# Allegro board reServer industrial J401 Carrier Board v11.brd (continued)
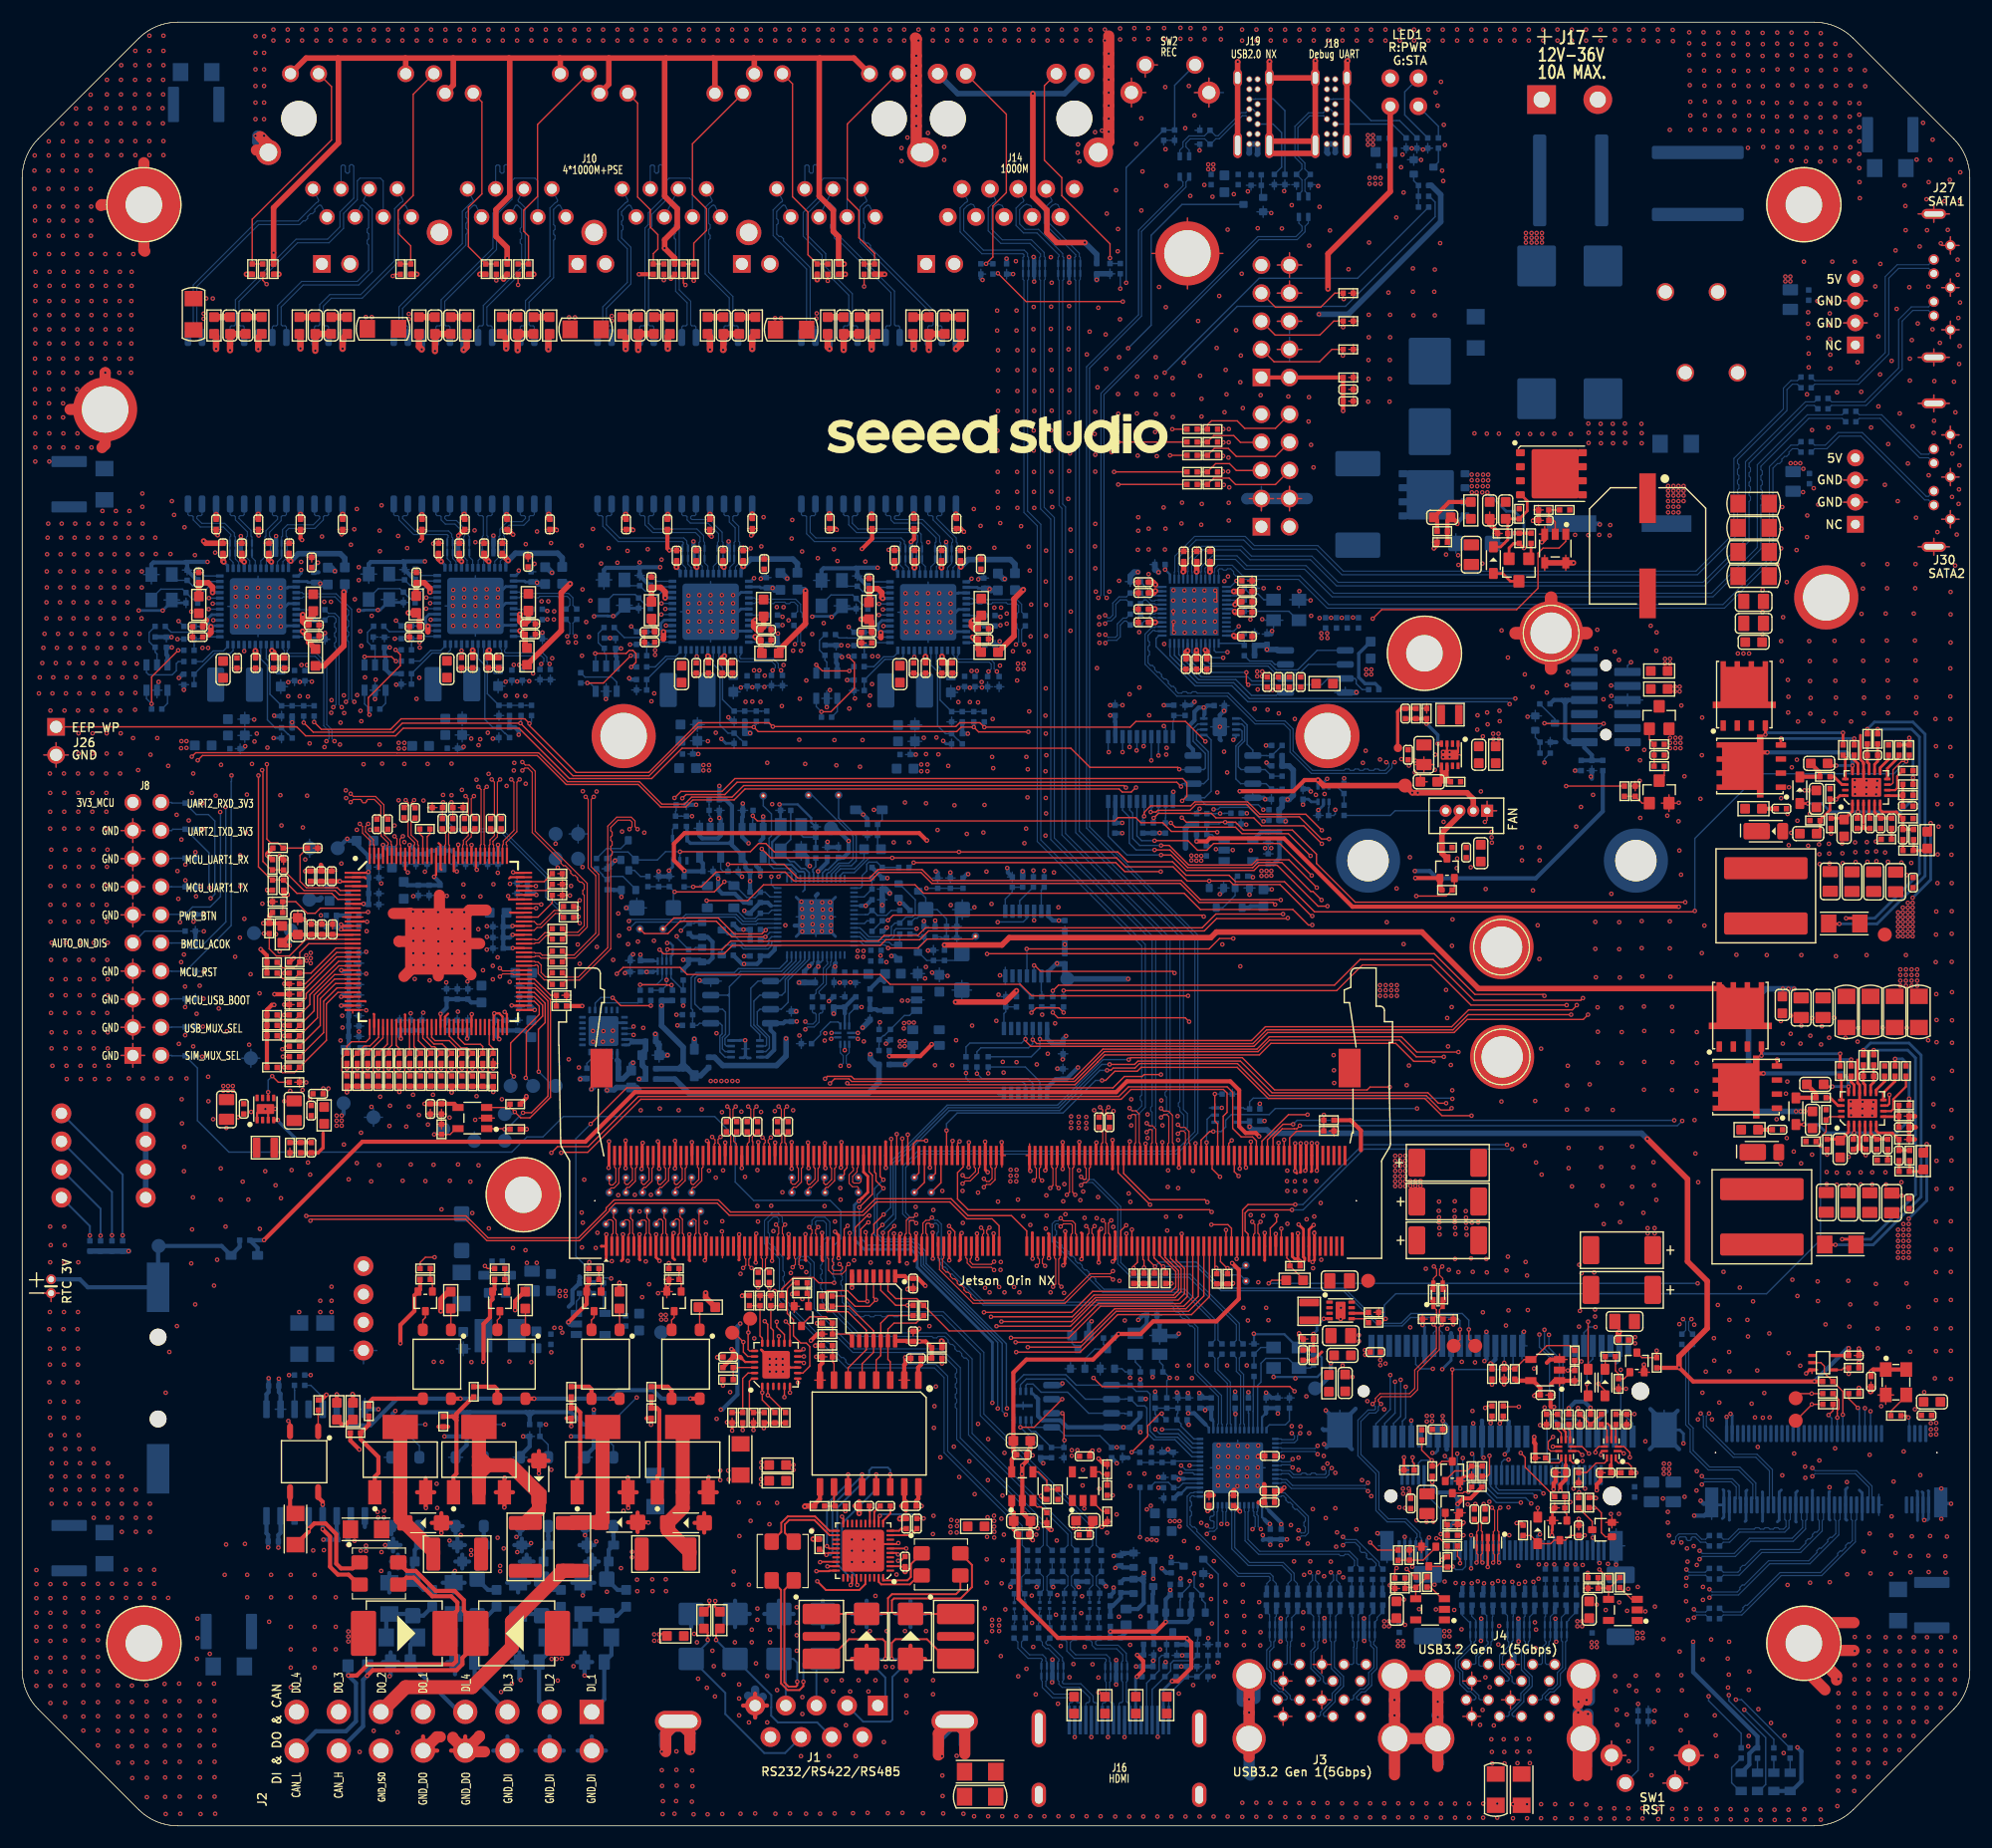
[diagram p0: board, top side]
## Routing (per net, layer and track width the routed paths; a pad name or vN(x,y) marks a point on that pad's centre or on a via; arc(x,y) is an arc through that point) (continued)
  BOTTOM w0.127: C384.2 42.98,81.25 ; C384.2 42.55,81.68 ; C384.2 42.12,81.25 ; C384.2 42.55,80.83 ; U37.2 12.19,103.31 ; U37.2 12.19,101.94 ; U37.2 12.64,102.63 ; U37.2 11.73,102.63 ; C76.2 76.8,89.51 ; C76.2 76.38,89.94 ; C76.2 76.38,89.08 ; C76.2 75.95,89.51 ; 103.59,33.76 C41.2 ; C41.2 104.02,33.33 ; C41.2 104.45,33.76 ; C106.2 81.55,77.01 ; C106.2 80.31,77.01 ; C106.2 80.93,77.64 ; C106.2 80.93,76.39 ; 124.63,151.61 R275.2 ; R275.2 125.06,152.04 ; R275.2 125.49,151.61 ; R275.2 125.06,151.18 ; C352.2 32.23,87.07 ; C352.2 31.81,86.64 ; C352.2 32.66,86.64 ; C352.2 32.23,86.22 ; 77.72,85.09 R125.2 77.29,84.66 ; 84,99.33 C501.2 ; C501.2 84.43,99.76 ; C501.2 84,100.19 ; C501.2 83.57,99.76 ; 90.45,38.3 U12.9 90.45,37.65 ; J27.G1 175.02,142.82 ; J27.G1 174.24,142.04 ; J27.G1 174.24,143.6 ; J27.G1 173.46,142.82 ; 36.35,84.08 C348.2 ; C348.2 36.78,83.66 ; C348.2 37.21,84.08 ; C348.2 36.78,84.51 ; 112.59,88.47 R106.2 ; R106.2 113.02,88.9 ; R106.2 112.16,88.9 ; 57.69,70.89 C295.2 57.26,70.46 ; 64.34,100.24 C461.2 64.34,99.38 ; 174.24,124.92 J30.G1 ; J30.G1 173.46,125.7 ; J30.G1 174.24,126.48 ; J30.G1 175.02,125.7 ; 30,75.08 C336.2 ; C336.2 30.86,75.08 ; C336.2 30.43,75.51 ; C336.2 30.43,74.65 ; 71.23,76.2 C111.2 71.66,76.63 ; 83.99,98.2 R598.2 83.99,97.35 ; 86.81,102.94 R537.2 ; R537.2 87.67,102.94 ; R537.2 87.24,102.51 ; R537.2 87.24,103.37 ; 82.88,76.28 C113.2 ; C113.2 82.88,77.53 ; C113.2 83.51,76.91 ; C113.2 82.26,76.91 ; 11.68,112.24 X3.4 ; X3.4 10.97,113.08 ; X3.4 12.39,113.08 ; 14.91,113.05 C181.2 ; C181.2 15.34,113.48 ; C181.2 14.48,113.48 ; 8.94,69.62 J8.1 ; J8.1 11.07,69.62 ; J8.1 10.01,68.56 ; J8.1 10.01,70.69 ; 172.74,144.91 J27.S1 ; J27.S1 172.74,146.42 ; J27.S1 174.15,145.67 ; J27.S1 171.34,145.67 ; 71.28,90.28 C75.2 ; C75.2 72.14,90.28 ; C75.2 71.71,89.85 ; C75.2 71.71,90.71 ; D38.1 85.79,75.53 ; D38.1 84.92,76.4 ; D38.1 84.92,74.65 ; D38.1 84.04,75.53 ; 65.55,91.77 R92.2 64.69,91.77 ; SW1.3 144.93,6.36 ; SW1.3 143.62,5.06 ; SW1.3 143.62,7.67 ; Q32.2 136.73,100.8 ; Q32.2 136.17,100.3 ; Q32.2 136.73,99.81 ; Q32.2 137.29,100.3 ; C361.2 35.54,72.8 ; C361.2 34.68,72.8 ; C361.2 35.11,73.23 ; C361.2 35.11,72.37 ; R160.2 70.83,70.68 ; R160.2 69.97,70.68 ; R160.2 70.4,71.11 ; R160.2 70.4,70.26 ; J30.S2 174.15,115.59 ; J30.S2 172.74,114.83 ; J30.S2 171.34,115.59 ; J30.S2 172.74,116.35 ; C325.2 39.75,72.8 ; C325.2 38.9,72.8 ; C325.2 39.32,73.23 ; C325.2 39.32,72.37 ; 151.89,29.23 J21.76 152.67,27.7 ; TP53.1 50.24,90.45 ; TP53.1 51.05,89.64 ; TP53.1 49.42,89.64 ; TP53.1 50.24,88.83 ; 1.96,96.78 J26.2 ; J26.2 3.07,95.67 ; J26.2 3.07,97.88 ; J26.2 4.17,96.78 ; 34.26,102.74 R546.2 ; R546.2 34.69,103.17 ; R546.2 34.26,103.6 ; R546.2 33.83,103.17 ; C47.2 103.16,30.04 ; C47.2 102.73,29.62 ; C47.2 103.16,29.19 ; 119.56,102.9 U75.4 118.6,102.42 ; 16.09,69.59 D37.1 15.66,70.02 ; 52.43,67.54 R424.2 52,67.96 ; 105.73,14.4 C196.2 ; C196.2 106.16,13.98 ; C196.2 106.59,14.4 ; SW2.3 108.54,156.64 ; SW2.3 107.24,157.94 ; SW2.3 107.24,155.33 ; SW2.3 105.93,156.64 ; C512.2 80.67,98.63 ; C512.2 80.05,98.01 ; C512.2 81.3,98.01 ; C512.2 80.67,97.38 ; C347.2 36.23,84.08 ; C347.2 35.37,84.08 ; C347.2 35.8,84.51 ; C347.2 35.8,83.66 ; 112.14,145.36 Q23.2 ; Q23.2 111.58,145.86 ; Q23.2 112.14,146.35 ; Q23.2 112.7,145.86 ; J8.17 11.07,89.94 ; J8.17 10.01,91.01 ; J8.17 8.94,89.94 ; J8.17 10.01,88.88 ; R532.2 48.16,103.57 ; R532.2 47.3,103.57 ; R532.2 47.73,103.14 ; R532.2 47.73,104 ; 88.88,74.5 R428.1 ; R428.1 88.88,75.36 ; R428.1 89.31,74.93 ; R428.1 88.45,74.93 ; 172.74,131.95 J27.S2 ; J27.S2 174.15,132.71 ; J27.S2 172.74,133.46 ; J27.S2 171.34,132.71 ; R571.2 55.94,102.65 ; R571.2 55.51,102.22 ; R571.2 55.51,103.08 ; R571.2 55.08,102.65 ; C554.2 111.79,107.75 ; C554.2 111.36,108.18 ; C554.2 111.36,107.32 ; C554.2 110.94,107.75 ; 55.38,113 C466.2 ; C466.2 56.24,113 ; C466.2 55.81,112.57 ; C370.2 40.28,76.06 ; C370.2 40.28,75.2 ; C370.2 40.71,75.63 ; C370.2 39.85,75.63 ; 44.51,74.01 C317.2 ; C317.2 44.94,74.44 ; C317.2 44.94,73.58 ; C317.2 45.37,74.01 ; 110.62,148.25 R272.2 ; R272.2 111.05,147.82 ; R272.2 111.48,148.25 ; R72.2 94.14,33.7 ; R72.2 94.14,32.84 ; R72.2 93.71,33.27 ; 84.03,81.28 R133.2 84.89,81.28 ; R43.2 114.51,39.1 ; R43.2 114.51,38.25 ; R43.2 114.94,38.68 ; R43.2 114.09,38.68 ; C63.2 102.54,46.58 ; C63.2 102.97,46.15 ; C63.2 102.12,46.15 ; C159.2 25.04,103.48 ; C159.2 24.18,103.48 ; C159.2 24.61,103.05 ; D99.1 98.3,140.69 ; D99.1 98.73,140.26 ; D99.1 98.3,139.83 ; 78.03,71.04 78.42,71.04 ; C343.2 37.02,86.9 ; C343.2 36.16,86.9 ; C343.2 36.59,87.33 ; C343.2 36.59,86.47 ; 20.12,99.39 C152.2 ; C152.2 20.12,100.63 ; C152.2 20.74,100.01 ; C152.2 19.5,100.01 ; D33.1 84.95,83.68 ; D33.1 84.95,81.92 ; D33.1 85.83,82.8 ; D33.1 84.08,82.8 ; C300.2 94.48,69.77 ; C300.2 94.06,70.19 ; C300.2 93.63,69.77 ; 30,78.88 C318.2 ; C318.2 30.43,78.45 ; C318.2 30.86,78.88 ; C318.2 30.43,79.31 ; C21.2 34.12,35.62 ; C21.2 33.7,35.19 ; C21.2 34.55,35.19 ; C524.2 86.53,102.95 ; C524.2 85.68,102.95 ; C524.2 86.11,102.52 ; 70.4,87.28 X2.2 ; X2.2 69.68,88.12 ; X2.2 71.11,88.12 ; X2.2 70.4,88.95 ; 39.32,75.2 C371.2 ; C371.2 39.75,75.63 ; C371.2 39.32,76.06 ; C371.2 38.9,75.63 ; 86.63,140.66 D98.1 87.06,140.23 ; J30.G3 174.24,118.86 ; J30.G3 174.24,117.3 ; J30.G3 173.46,118.08 ; J30.G3 175.02,118.08 ; 46.58,107.26 R550.2 ; R550.2 47.44,107.26 ; R550.2 47.01,106.84 ; D24.1 15.66,85.29 ; D24.1 15.66,84.43 ; D24.1 15.23,84.86 ; 94.24,41.31 Q56.2 ; Q56.2 95.23,41.31 ; Q56.2 94.73,41.87 ; R277.2 113.15,148.74 ; R277.2 112.72,148.31 ; R277.2 113.15,147.88 ; R277.2 113.58,148.31 ; 72.23,111.71 X6.4 ; X6.4 71.52,112.55 ; X6.4 72.94,112.55 ; 40.17,35.62 C22.2 40.6,35.19 ; R276.2 114.1,148.74 ; R276.2 114.53,148.31 ; R276.2 114.1,147.88 ; R276.2 113.67,148.31 ; J27.G2 174.24,139.79 ; J27.G2 173.46,139.01 ; J27.G2 175.02,139.01 ; J27.G2 174.24,138.23 ; 68.27,103.04 R534.2 ; R534.2 68.7,102.61 ; R534.2 68.7,103.47 ; R534.2 69.13,103.04 ; J15.10 114.52,142.15 ; J15.10 115.63,141.05 ; J15.10 113.42,141.05 ; 68.26,106.31 R575.2 ; R575.2 68.69,106.74 ; R575.2 67.84,106.74 ; 103.92,15.41 C195.2 104.34,15.84 ; 44.52,74.94 C316.2 ; C316.2 44.94,75.37 ; C316.2 44.94,74.51 ; 173.37,27.7 J21.77 174.15,29.23 ; TP51.1 41.67,61.9 ; TP51.1 40.05,61.9 ; TP51.1 40.86,62.72 ; 65.51,102.57 C483.2 ; C483.2 65.94,103 ; C483.2 65.08,103 ; 112.89,93.2 R88.2 112.89,92.34 ; 111.36,112.27 C559.2 111.79,111.84 ; C434.2 40.39,100.05 ; C434.2 39.14,100.05 ; C434.2 39.76,100.67 ; C434.2 39.76,99.43 ; 44.77,103.52 C447.2 ; C447.2 45.62,103.52 ; C447.2 45.19,103.09 ; 110.89,43.55 C29.2 111.74,43.55 ; 39.86,42.49 C42.2 ; C42.2 39.86,43.74 ; C42.2 39.24,43.11 ; C42.2 40.49,43.11 ; 64.71,86.69 R113.2 64.28,86.26 ; C357.2 45.2,72.8 ; C357.2 44.78,72.37 ; C357.2 44.35,72.8 ; C357.2 44.78,73.23 ; 113.42,138.51 J15.8 115.63,138.51 ; 105.99,153.23 D57.1 106.42,153.65 ; C365.2 40.51,86.9 ; C365.2 39.65,86.9 ; C365.2 40.08,87.33 ; C365.2 40.08,86.47 ; 65.69,70.22 U27.9 65.03,70.22 ; 39.34,96.96 C436.2 ; C436.2 39.34,97.81 ; C436.2 38.91,97.38 ; 141.41,95.36 C146.1 ; C146.1 141.84,95.79 ; C146.1 142.27,95.36 ; v1(40.96,110.24) 40.96,112.97 ; v1(40.96,110.24) 38.23,110.24 ; v1(40.96,110.24) 40.96,107.52 ; 15.66,74.31 D30.1 ; D30.1 16.09,74.74 ; D30.1 15.66,75.17 ; D30.1 15.23,74.74 ; 107.44,88.58 C82.2 107.01,89.01 ; C354.2 32.66,84.26 ; C354.2 31.81,84.26 ; C354.2 32.23,84.69 ; C354.2 32.23,83.83 ; 73.77,88.01 C79.2 73.77,88.87 ; 52.41,86.49 R109.2 ; R109.2 53.26,86.49 ; R109.2 52.83,86.92 ; C344.2 44.73,85.63 ; C344.2 45.16,85.2 ; C344.2 44.73,84.77 ; C344.2 44.3,85.2 ; C88.2 83.16,85.65 ; C88.2 82.73,85.22 ; C88.2 82.31,85.65 ; 132.38,90.88 J7.1 ; J7.1 133.23,91.73 ; J7.1 132.38,92.59 ; Q18.2 107.29,22.8 ; Q18.2 106.73,23.29 ; Q18.2 106.73,22.3 ; 30,72.28 C337.2 ; C337.2 30.86,72.28 ; C337.2 30.43,71.85 ; C337.2 30.43,72.71 ; 107.93,88.18 U22.2 109.31,88.18 ; 60.6,97.29 C473.2 60.17,96.86 ; J8.3 11.07,72.16 ; J8.3 8.94,72.16 ; J8.3 10.01,71.1 ; J8.3 10.01,73.23 ; C506.2 75.89,112.95 ; C506.2 75.04,112.95 ; C506.2 75.47,112.53 ; 109.71,90.55 R101.2 ; R101.2 110.14,90.97 ; R101.2 110.14,90.12 ; 99.7,24.44 R240.2 99.28,24.87 ; R274.2 126.46,151.61 ; R274.2 125.61,151.61 ; R274.2 126.04,152.04 ; R274.2 126.04,151.18 ; C472.2 61.02,100.15 ; C472.2 61.02,98.9 ; C472.2 61.64,99.53 ; C472.2 60.39,99.53 ; 106.56,91.47 R98.2 105.71,91.47 ; 1.86,48.14 J12.1 ; J12.1 2.62,47.38 ; J12.1 3.37,48.14 ; 39.13,86.47 C364.2 ; C364.2 39.13,87.33 ; C364.2 38.7,86.9 ; C364.2 39.55,86.9 ; 88.28,102.51 R536.2 ; R536.2 87.85,102.94 ; R536.2 88.28,103.37 ; R536.2 88.71,102.94 ; 74.74,102.6 R595.2 ; R595.2 75.17,102.17 ; R595.2 75.6,102.6 ; R595.2 75.17,103.03 ; 102.36,114.42 C535.2 101.93,113.99 ; TP55.1 20.67,70.18 ; TP55.1 20.67,68.56 ; TP55.1 19.85,69.37 ; TP55.1 21.48,69.37 ; 19.7,96.91 C149.2 ; C149.2 19.27,97.34 ; C149.2 19.7,97.77 ; 32.23,87.19 C351.2 ; C351.2 31.81,87.62 ; C351.2 32.23,88.05 ; C351.2 32.66,87.62 ; 125.43,23.83 J6.5 125.43,25.98 ; R54.2 103.43,33.76 ; R54.2 103,34.19 ; R54.2 102.57,33.76 ; R54.2 103,33.75 ; 148.37,36.43 148.37,37.56 ; 27.37,106.79 R230.2 ; R230.2 26.94,107.22 ; R230.2 27.8,107.22 ; 81.52,74.64 U26.2 80.14,74.64 ; 57.56,69.03 C294.2 56.94,69.65 ; 30,71.34 C334.2 ; C334.2 30.43,70.91 ; C334.2 30.43,71.77 ; C334.2 30.86,71.34 ; 31.81,83.27 C355.2 ; C355.2 32.66,83.27 ; C355.2 32.23,83.7 ; C355.2 32.23,82.84 ; 30,77.96 C319.2 ; C319.2 30.43,77.53 ; C319.2 30.86,77.96 ; C319.2 30.43,78.39 ; 42.57,86.9 C367.2 ; C367.2 43.43,86.9 ; C367.2 43,86.47 ; C367.2 43,87.33 ; 15.66,71.76 D35.1 ; D35.1 15.23,72.19 ; D35.1 15.66,72.62 ; D35.1 16.09,72.19 ; C368.2 42.49,86.9 ; C368.2 41.63,86.9 ; C368.2 42.06,87.33 ; C368.2 42.06,86.47 ; 15.66,87.02 D23.1 ; D23.1 16.09,87.45 ; D23.1 15.23,87.45 ; 116.83,148.31 D56.1 116.4,147.88 ; 57.52,85.37 R118.2 57.09,85.8 ; R610.2 100.56,112.44 ; R610.2 99.7,112.44 ; R610.2 100.13,112.01 ; 33.69,72.8 C362.2 ; C362.2 34.12,72.37 ; C362.2 34.55,72.8 ; C362.2 34.12,73.23 ; 166.72,119.62 J29.2 164.59,119.62 ; 52.57,111.76 X5.4 ; X5.4 51.86,112.6 ; X5.4 53.29,112.6 ; 83.92,101.81 C522.2 ; C522.2 84.54,102.43 ; C522.2 83.92,103.05 ; R257.2 107.59,16.39 ; R257.2 107.16,16.82 ; R257.2 106.73,16.39 ; R257.2 107.16,15.96 ; 37.93,75.63 C372.2 ; C372.2 38.79,75.63 ; C372.2 38.36,75.2 ; C372.2 38.36,76.06 ; 42.75,72.37 C359.2 ; C359.2 43.18,72.8 ; C359.2 42.75,73.23 ; C359.2 42.32,72.8 ; 111.98,118.84 J25.3 111.98,121.05 ; 13.04,106.99 C162.2 12.61,107.42 ; J8.5 10.01,75.77 ; J8.5 11.07,74.7 ; J8.5 8.94,74.7 ; J8.5 10.01,73.64 ; C158.2 25.98,103.48 ; C158.2 25.12,103.48 ; C158.2 25.55,103.05 ; 81.87,106.95 v1(81.87,109.67) ; v1(81.87,109.67) 81.87,112.4 ; v1(81.87,109.67) 79.14,109.67 ; 137.65,97.93 R435.2 ; R435.2 138.08,98.36 ; R435.2 138.08,97.5 ; 112.24,108.95 X7.4 ; X7.4 113.92,108.95 ; X7.4 113.08,108.24 ; 40.59,86.9 C366.2 ; C366.2 41.45,86.9 ; C366.2 41.02,86.47 ; C366.2 41.02,87.33 ; 111.21,93.39 U16.4 110.26,92.91 ; 73.56,106.26 C526.2 73.13,106.69 ; C1.2 147.37,10.4 ; C1.2 146.94,9.97 ; C1.2 146.94,10.83 ; 97.42,40.75 Q54.2 ; Q54.2 97.91,41.31 ; Q54.2 96.92,41.31 ; Q54.2 97.42,41.87 ; 54.52,78.19 C102.2 ; C102.2 55.37,78.19 ; C102.2 54.95,77.76 ; 42.55,78.88 C386.2 ; C386.2 42.12,79.31 ; C386.2 42.55,79.74 ; C386.2 42.98,79.31 ; 32.46,110.82 X4.2 33.88,110.82 ; C511.2 80.67,100.1 ; C511.2 80.05,99.48 ; C511.2 81.3,99.48 ; C511.2 80.67,98.86 ; U72.2 72.71,102.58 ; U72.2 73.16,101.89 ; U72.2 72.26,101.89 ; R116.1 105.09,101.7 ; R116.1 105.09,100.84 ; R116.1 104.66,101.27 ; 79.83,96.81 C513.2 80.25,97.24 ; 135.52,42.2 J5.18 ; J5.18 135.52,44.56 ; J5.18 135.98,43.38 ; J30.G2 174.24,122.67 ; J30.G2 174.24,121.11 ; J30.G2 175.02,121.89 ; J30.G2 173.46,121.89 ; 66.02,103 C484.2 ; C484.2 66.45,102.57 ; C484.2 66.88,103 ; 116.27,42.59 C17.2 116.7,42.16 ; 117.12,90.88 R86.2 ; R86.2 117.55,91.31 ; R86.2 116.7,91.31 ; C385.2 42.55,80.7 ; C385.2 42.12,80.27 ; C385.2 42.98,80.27 ; C385.2 42.55,79.84 ; 42.66,100.33 C424.2 ; C424.2 43.51,100.33 ; C424.2 43.09,99.91 ; C424.2 43.09,100.76 ; 103.56,31.5 C48.2 103.14,31.92 ; C345.2 45.16,84.26 ; C345.2 44.73,84.69 ; C345.2 44.73,83.83 ; C345.2 44.3,84.26 ; 23.44,97.88 R207.2 23.44,98.73 ; C560.2 110.87,109.76 ; C560.2 110.44,110.19 ; C560.2 110.44,109.33 ; 46.42,113.33 C440.2 45.56,113.33 ; 107.59,13.48 D49.1 107.16,13.05 ; 30.93,64.03 TP50.1 ; TP50.1 31.75,63.22 ; TP50.1 31.75,64.85 ; TP50.1 32.56,64.03 ; J15.4 114.52,134.53 ; J15.4 114.52,132.32 ; J15.4 113.42,133.43 ; J15.4 115.63,133.43 ; 125.19,150.57 Q1.2 ; Q1.2 125.75,151.06 ; Q1.2 126.31,150.57 ; Q1.2 125.75,150.07 ; 59.48,109.72 v1(62.21,109.72) ; v1(62.21,109.72) 62.21,112.45 ; v1(62.21,109.72) 62.21,106.99 ; R122.2 84.31,85.65 ; R122.2 83.45,85.65 ; R122.2 83.88,85.22 ; C353.2 32.23,86.11 ; C353.2 31.81,85.68 ; C353.2 32.66,85.68 ; C353.2 32.23,85.25 ; MH13.1 107.76,142.1 ; MH13.1 105.3,144.56 ; MH13.1 102.84,142.1 ; MH13.1 105.3,139.64 ; 43.74,72.37 C358.2 ; C358.2 43.31,72.8 ; C358.2 44.17,72.8 ; 105.64,14.4 C197.2 105.21,13.98 ; 54.95,76.75 C105.2 ; C105.2 55.37,77.17 ; C105.2 54.95,77.6 ; 114.52,121.05 J25.4 114.52,118.84 ; 55.14,110.3 X5.2 53.71,110.3 ; C360.2 36.11,73.23 ; C360.2 35.69,72.8 ; C360.2 36.54,72.8 ; C360.2 36.11,72.37 ; 119.07,36.28 119.07,37.56 ; 85.17,102.53 C523.2 ; C523.2 84.74,102.95 ; C523.2 85.59,102.95 ; 76.19,72.87 R168.2 76.61,73.3 ; C324.2 38.8,72.8 ; C324.2 38.37,72.37 ; C324.2 37.95,72.8 ; 61.22,90.83 U19.1 60.72,90.15 ; C339.2 30.43,74.57 ; C339.2 30.43,73.71 ; C339.2 30,74.14 ; C339.2 30.86,74.14 ; 67.24,113.23 C477.2 67.67,112.81 ; C96.2 84.88,80.26 ; C96.2 84.45,79.84 ; C96.2 84.03,80.26 ; 73.91,74.92 C117.2 74.34,75.34 ; J8.11 11.07,82.32 ; J8.11 10.01,81.26 ; J8.11 10.01,83.39 ; J8.11 8.94,82.32 ; 100.43,24.16 Q19.2 ; Q19.2 100.99,24.65 ; Q19.2 100.43,25.15 ; 14.81,110.95 C169.2 14.81,110.09 ; 30.61,113.12 X4.4 ; X4.4 32.03,113.12 ; X4.4 31.32,112.29 ; 71.72,80.37 U23.57 ; U23.57 73.5,82.15 ; U23.57 71.72,83.93 ; U23.57 69.94,82.15 ; R599.2 87.92,107.12 ; R599.2 88.35,106.69 ; R599.2 87.49,106.69 ; R599.2 87.92,106.27 ; 8.94,87.4 J8.15 ; J8.15 11.07,87.4 ; J8.15 10.01,88.47 ; J8.15 10.01,86.34 ; U55.2 52.78,103.21 ; U55.2 52.32,102.53 ; U55.2 53.23,102.53 ; 53.62,106.9 C486.2 53.2,107.32 ; 150.62,5.06 SW1.4 ; SW1.4 149.31,6.36 ; SW1.4 151.93,6.36 ; SW1.4 150.62,7.67 ; 62.23,75.86 U28.4 63.18,76.34 ; C80.2 73.18,88.43 ; C80.2 72.75,88.01 ; C80.2 72.32,88.43 ; C445.2 43.01,103.62 ; C445.2 43.01,102.38 ; C445.2 43.63,103 ; C83.2 113.03,87.84 ; C83.2 112.17,87.84 ; C83.2 112.6,88.27 ; C320.2 30.86,77.01 ; C320.2 30.43,77.44 ; C320.2 30,77.01 ; C320.2 30.43,76.58 ; 88.46,76.8 U6.7 ; U6.7 88.84,77.58 ; U6.7 88.84,76.03 ; SW1.2 150.48,3.86 ; SW1.2 149.37,4.97 ; SW1.2 148.26,3.86 ; 50.25,33.3 Q5.3 51.52,33.3 ; 23.44,99.86 C153.2 23.44,100.72 ; 171.34,128.55 J30.S1 ; J30.S1 174.15,128.55 ; J30.S1 172.74,127.79 ; J30.S1 172.74,129.31 ; 46.36,103.57 R533.2 ; R533.2 46.79,103.14 ; R533.2 46.79,104 ; R533.2 47.22,103.57 ; J8.7 10.01,78.31 ; J8.7 10.01,76.18 ; J8.7 8.94,77.24 ; J8.7 11.07,77.24 ; 30.43,72.78 C338.2 ; C338.2 30.86,73.21 ; C338.2 30,73.21 ; C338.2 30.43,73.64 ; 67.71,102.61 R535.2 ; R535.2 68.14,103.04 ; R535.2 67.71,103.47 ; R535.2 67.28,103.04 ; X7.2 115.38,111.52 ; X7.2 116.22,110.8 ; X7.2 115.38,110.09 ; X7.2 114.54,110.8 ; 34.46,110.13 C430.2 ; C430.2 34.88,110.56 ; C430.2 34.46,110.99 ; 18.59,110.2 v1(21.32,110.2) 21.32,107.47 ; 15.66,76.8 D28.1 16.09,77.23 ; 29.64,42.96 U10.1 ; U10.1 30.84,41.76 ; U10.1 32.05,42.96 ; U13.1 103.67,44.32 ; U13.1 101.91,44.32 ; U13.1 102.79,43.53 ; 93.79,78.82 C299.1 94.65,78.82 ; 30.49,37.65 U7.8 30.97,38.63 ; 69.5,73.18 C121.2 ; C121.2 69.5,74.04 ; C121.2 69.07,73.61 ; C110.2 75.72,76.2 ; C110.2 75.29,75.77 ; C110.2 74.86,76.2 ; 89.04,85.75 R430.1 ; R430.1 89.47,85.32 ; R430.1 89.47,86.18 ; C507.2 75.79,109.99 ; C507.2 75.37,109.56 ; C507.2 75.37,110.42 ; 39.81,33.3 Q3.3 38.54,33.3 ; 104.01,38.68 C40.2 ; C40.2 104.86,38.68 ; C40.2 104.44,38.25 ; 74.33,75.79 C108.2 ; C108.2 74.76,76.22 ; C108.2 73.9,76.22 ; 23.83,37.65 U7.2 22.87,37.65 ; 68.96,91.77 C73.2 68.1,91.77 ; 93.79,80.89 C301.2 ; C301.2 94.65,80.89 ; C301.2 94.22,81.32 ; 104.94,38.68 C39.2 105.8,38.68 ; 143.68,101.74 J11.8 ; J11.8 145.06,102.29 ; J11.8 146.44,101.74 ; J11.8 145.06,101.19 ; 109.05,99.32 v1(108.23,99.32) 107.4,99.32 ; Q11.2 109.07,84.76 ; Q11.2 108.08,84.76 ; Q11.2 108.57,85.32 ; 112.49,108.13 C553.2 112.06,107.7 ; 8.94,84.86 J8.13 ; J8.13 10.01,85.93 ; J8.13 11.07,84.86 ; J8.13 10.01,83.8 ; 46.29,35.19 C23.2 45.86,35.62 ; 99.42,33.7 R396.2 99.42,32.84 ; 39.76,97.95 C435.2 ; C435.2 40.39,98.58 ; C435.2 39.76,99.2 ; C435.2 39.14,98.58 ; 102.26,15.88 C193.2 101.83,15.45 ; 14.19,103.13 R215.2 15.04,103.13 ; 139.47,35.18 J5.15 139.92,34 ; 35.16,86.9 C342.2 ; C342.2 36.01,86.9 ; C342.2 35.59,87.33 ; C342.2 35.59,86.47 ; 32.31,107.42 C449.2 ; C449.2 32.74,106.99 ; C449.2 33.17,107.42 ; 56.42,82.96 D32.1 55.54,83.83 ; C315.2 45.36,75.9 ; C315.2 44.51,75.9 ; C315.2 44.94,75.47 ; C315.2 44.94,76.32 ; D44.1 130.43,115.89 ; D44.1 128.68,115.89 ; D44.1 129.56,115.01 ; D44.1 129.56,116.77 ; 25.97,87.54 TP56.1 ; TP56.1 25.16,88.35 ; TP56.1 26.79,88.35 ; TP56.1 25.97,89.16 ; v1(109.84,32.36) 109.84,34.84 ; v1(109.84,32.36) 109.84,29.89 ; v1(109.84,32.36) 112.32,32.36 ; v1(109.84,32.36) 107.36,32.36 ; C482.2 64.26,103.1 ; C482.2 64.26,101.85 ; C482.2 64.89,102.48 ; D1.1 146.94,9.87 ; D1.1 147.37,9.44 ; D1.1 146.94,9.01 ; 31.44,102.62 U52.2 ; U52.2 31.89,103.31 ; U52.2 32.34,102.62 ; 119.44,94.64 R94.2 119.87,94.21 ; 113.9,38.68 C26.2 113.47,39.1 ; C341.2 35.03,86.9 ; C341.2 34.18,86.9 ; C341.2 34.6,86.47 ; C341.2 34.6,87.33 ; 103.58,152.32 C200.2 103.15,151.89 ; 114.52,134.86 J15.6 ; J15.6 113.42,135.97 ; J15.6 115.63,135.97 ; 59.59,92.27 C72.2 60.02,91.85 ; C446.2 44.68,103.53 ; C446.2 43.83,103.53 ; C446.2 44.25,103.1 ; 81.92,81.26 C94.2 81.49,80.84 ; 87.33,112.76 C517.2 86.9,113.19 ; 61.02,97.43 C471.2 ; C471.2 60.39,98.05 ; C471.2 61.02,98.67 ; C471.2 61.64,98.05 ; 52.09,35.19 C24.2 51.66,35.62 ; 62.58,91.77 R91.2 ; R91.2 63.01,92.2 ; R91.2 63.43,91.77 ; C326.2 40.27,73.23 ; C326.2 39.84,72.8 ; C326.2 40.7,72.8 ; C326.2 40.27,72.37 ; 44.36,33.3 Q4.3 45.62,33.3 ; 126.59,151.61 R443.2 ; R443.2 127.02,152.04 ; R443.2 127.02,151.18 ; R443.2 127.45,151.61 ; D54.1 104.14,152.75 ; D54.1 104.14,151.89 ; D54.1 103.72,152.32 ; 73.37,110.25 X6.2 74.79,110.25 ; 62.01,86.26 C85.2 ; C85.2 62.44,85.83 ; C85.2 62.44,86.69 ; C349.2 37.77,84.51 ; C349.2 37.34,84.08 ; C349.2 38.2,84.08 ; C349.2 37.77,83.66 ; 123.33,23.78 J6.76 122.55,25.3 ; R397.1 16.09,80.86 ; R397.1 15.66,81.29 ; R397.1 15.23,80.86 ; 43.08,98.78 R549.2 43.08,97.92 ; 73.36,75.79 C107.2 ; C107.2 73.79,76.22 ; C107.2 73.36,76.65 ; C335.2 30.43,76.46 ; C335.2 30.86,76.03 ; C335.2 30,76.03 ; C335.2 30.43,75.6 ; 15.66,81.94 D25.1 15.23,82.37 ; 166.72,137.82 J28.3 164.59,137.82 ; 14.24,110.78 X3.2 12.82,110.78 ; C467.2 56.14,110.04 ; C467.2 55.71,110.47 ; C467.2 55.71,109.61 ; R145.2 82.35,79.56 ; R145.2 82.35,78.7 ; R145.2 82.78,79.13 ; 174.24,134.42 J27.G3 ; J27.G3 173.46,135.2 ; J27.G3 175.02,135.2 ; J27.G3 174.24,135.98 ; C67.2 109.07,101.23 ; C67.2 108.64,101.66 ; C67.2 108.21,101.23 ; 110.41,84.76 Q10.2 111.4,84.76 ; 88.96,139.81 C184.2 88.96,140.66 ; 19.5,98.53 C150.2 ; C150.2 20.74,98.53 ; C150.2 20.12,97.91 ; C150.2 20.12,99.16 ; 164.59,121.62 J29.3 166.72,121.62 ; 114.73,148.31 D55.1 115.15,147.88 ; 58.48,85.37 C87.2 58.91,85.8 ; 32.72,33.3 Q2.3 33.99,33.3 ; 31.72,107.01 R557.2 32.15,107.44 ; 115.74,94.13 C74.1 115.74,93.28 ; 78.15,83.69 C90.2 77.29,83.69 ; 23.37,102.34 C157.2 ; C157.2 23.99,102.96 ; C157.2 23.37,103.58 ; 108.93,66.13 D43.1 ; D43.1 109.79,66.13 ; D43.1 109.36,65.7 ; D43.1 109.36,66.56 ; 99.19,101.27 C86.1 98.76,101.7 ; 166.72,135.82 J28.2 164.59,135.82 ; C298.1 94.06,68.83 ; C298.1 94.48,68.41 ; C298.1 94.06,67.98 ; 127.26,24.9 J6.11 126.93,23.83 ; 106.42,151.54 D58.1 105.99,151.97 ; 112.83,38.68 C28.2 112.4,38.25 ; J21.57 168.1,29 ; J21.57 167.77,28.05 ; J21.57 167.77,29.96 ; 89.7,36.15 U12.4 ; U12.4 89.4,36.67 ; U12.4 89.7,37.2 ; 64.33,98.25 R574.2 64.33,97.39 ; 139.92,35.81 139.92,36.36 ; 34.13,113.53 C429.2 ; C429.2 34.98,113.53 ; C429.2 34.55,113.1 ; 144.03,26.83 J6.77 144.81,25.3 ; X1.2 v1(115.38,44.5) ; 107.28,64.89 U33.3 107.81,65.21 ; v1(21.32,111.87) 21.32,112.93 ; 66.7,86.37 66.7,86.69
  BOTTOM w0.152: 70.54,84.43 70.72,84.61 U23.19 70.72,86.11 70.59,86.23
  BOTTOM w0.178: R101.2 110.54,90.55 v1(110.61,90.48) ; v1(109.45,98.14) 109.68,98.37 U15.4 ; v1(106.4,91.92) 106.13,91.65 R98.2
  BOTTOM w0.203: 111.31,44.46 111.35,44.43 114.06,44.43 115.25,43.23 X1.2 116.53,43.23 116.7,43.07 C17.2 117.17,42.59 117.43,42.33 117.43,40.97 117.03,40.57 v1(113.08,40.57) X1.4 ; 111.31,44.46 C29.2 ; 111.31,44.46 v1(111.29,44.48) ; v1(58.28,79.78) 58.56,79.78 58.79,79.56 58.79,78.74 58.63,78.58 U24.4 ; 70.59,86.23 70.16,86.23 69.53,86.87 68.18,86.87 67.77,87.27 67.77,88.9 68.55,89.67 X2.4 ; C73.2 68.53,92.18 68.43,92.28 v1(68.43,92.31) 70.08,92.31 71.3,91.08 71.3,90.68 C75.2 ; U29.4 v1(74.33,70.1)
  BOTTOM w0.254: v1(138.55,18.72) 138.59,18.69 U4.3 ; R574.2 63.59,97.82 v1(63.19,98.22) ; v1(142.54,23.75) 142.43,23.85 J6.73 ; 163.27,29.53 163.25,29.56 ; 163.27,29.53 163.27,30.16 163.33,30.22 ; 163.27,29.53 J21.39 163.27,27.71 163.36,27.63 ; v1(42.54,98.25) 42.82,98.25 42.91,98.35 R549.2 ; v1(150.12,34.56) 150.12,35.44 149.78,35.78 J5.54 ; 117.12,91.77 117.59,92.23 U17.5 ; J21.76 152.9,29 J21.1 ; J16.2 v1(95.11,8.02) ; 158.96,30.36 158.77,30.17 J21.21 158.77,27.64 158.61,27.48 ; 164.77,29.73 164.77,29.74 ; 164.77,29.73 164.77,30.41 164.94,30.57 ; 164.77,29.73 J21.45 164.77,27.71 164.86,27.63 164.88,27.63 ; v1(117.92,94.62) 117.59,94.29 U17.2 ; U60.3 94.62,140.29 v1(94.62,139.47) ; 154.26,27.63 154.27,27.63 J21.3 154.27,30.19 154.21,30.25 ; X2.4 68.53,90.43 C73.2 ; 161.8,30.33 161.77,30.3 J21.33 161.77,27.64 ; v1(10.53,109.83) v1(12.7,109.83) 13.53,110.65 X3.2 13.79,110.52 C169.2 ; v1(83.89,111.39) 84.58,111.39 84.61,111.42 U71.15 ; J21.1 153.77,27.9 153.64,27.77 ; J21.1 153.77,30.31 153.69,30.39 ; 69.94,83.93 U23.57 ; U23.57 69.94,80.37 ; U23.57 73.5,80.37 ; U23.57 73.5,83.93 ; 171.68,30.19 171.77,30.09 J21.73 171.77,27.74 v1(171.88,27.63) 172.15,27.63 172.27,27.75 172.27,28.58 ; 135.44,26.28 135.43,26.28 J6.45 ; U71.18 84.61,109.92 84.36,109.67 v1(83.9,109.67) ; D22.1 15.56,90.07 ; v1(64.27,107.94) 64.75,107.94 64.78,107.97 U48.22 ; v1(127.44,33.7) 127.7,33.7 127.92,33.93 J5.37 ; v1(42.99,111.74) 43.45,111.74 43.7,111.99 U30.15 ; v1(127.13,26.05) 126.93,25.86 J6.11 ; U21.3 58.78,86.66 v1(58.45,86.33) ; J6.39 133.93,26.11 133.91,26.13 ; R207.2 v1(22.72,98.3) ; 155.77,29.56 155.77,30.26 155.86,30.35 ; 155.77,29.56 155.75,29.58 ; 155.77,29.56 J21.9 155.77,27.59 155.69,27.5 ; 141.94,26.28 141.93,26.28 v1(141.93,26.04) J6.71 ; 157.26,27.53 157.27,27.54 J21.15 157.27,30.15 157.24,30.18 ; 84.66,82.93 84.46,82.73 R133.2 84.46,80.78 84.45,80.77 C96.2 ; U48.18 64.95,109.97 64.7,109.72 v1(64.24,109.72) ; v1(83.23,98.05) 83.5,97.78 R598.2 ; v1(71.39,109.27) 71.42,109.3 73.09,109.3 v1(73.14,109.25) 73.2,109.3 73.26,109.3 74.08,110.13 X6.2 74.34,109.99 C507.2 ; U71.22 84.44,107.92 84.38,107.87 v1(83.93,107.87) ; v1(65.33,70.99) 64.88,70.99 64.85,70.97 U27.4 ; v1(128.38,36.59) 128.72,36.25 J5.35 ; J6.51 136.93,26.2 136.96,26.23 ; U61.3 91.45,140.29 v1(91.45,139.55) ; v1(128.32,41.27) 129.12,42.07 J5.34 ; 64.88,69.42 65.18,69.42 65.36,69.6 ; C430.2 33.43,110.56 X4.2 33.17,110.7 32.35,109.87 v1(32.15,109.87) 30.92,109.87 30.88,109.83 v1(30.42,109.83) ; U27.9 65.36,69.6 ; 65.36,69.6 65.36,69.57 65.54,69.39 65.79,69.39 ; v1(132.06,33.27) 131.92,33.4 J5.27 ; 166.01,30.34 166.27,30.08 J21.51 166.27,27.67 ; v1(126.55,45.26) 126.72,45.08 J5.40 ; U48.15 64.95,111.47 64.7,111.22 v1(64.24,111.22) ; v1(173.42,30.48) 173.42,29.11 ; 173.42,29.11 v1(174.3,29.11) ; 173.42,29.11 v1(173.42,27.74) ; v1(23.35,110.2) 23.81,110.2 24.06,110.45 U38.18 ; v1(51.68,109.3) 51.73,109.35 52.93,109.35 52.95,109.32 v1(53.41,109.32) 53.58,109.32 54.42,110.17 X5.2 54.69,110.04 C467.2 ; J21.75 172.27,30.24 172.23,30.28 ; U30.22 43.53,108.49 43.47,108.44 v1(43.02,108.44) ; v1(130.93,26.27) J6.27 v1(130.93,23.27) ; J5.50 v1(122.72,42.09) ; 160.42,30.26 160.27,30.12 J21.27 160.27,27.49 160.31,27.45 ; U30.18 43.7,110.49 43.45,110.24 v1(42.99,110.24) ; J6.3 v1(124.93,26.12) ; J6.33 v1(132.43,23.39) ; 171.27,27.59 J21.71 171.27,30.2 171.2,30.27 ; J16.5 v1(96.61,8.02) ; J6.57 138.43,26.06 v1(138.24,26.26) ; v1(125.52,36.63) J5.43 ; U54.2 53.28,72.57 v1(52.53,71.82) ; v1(23.37,108.4) 23.83,108.4 23.88,108.45 U38.22 ; v1(23.35,111.87) 23.98,111.87 24.06,111.95 U38.15 ; J16.8 v1(98.11,8.02) ; D20.1 15.56,92.43 ; J5.29 v1(131.12,36.38) ; U33.3 v1(108.4,64.89) ; v1(133.97,33.57) 134.32,33.93 J5.21 ; U16.4 111.23,92.91 ; J16.17 v1(102.61,8.05) ; J16.11 v1(99.61,8.02)
  BOTTOM w0.305: U4.3 U4.8 138.59,16.68 v1(138.63,16.65)
  BOTTOM w0.381: U32.3 U32.8 v1(19.77,116.55) ; R230.2 v1(27.37,107.79) ; 128.73,34 128.72,34.01 J5.35 ; J5.15 139.92,35.81 139.56,36.17 138.96,36.17 138.57,36.55 ; v1(98.86,14.98) U40.3 U40.8 98.86,12.77 v1(98.86,12.77) ; v1(88.33,107.05) 88.33,106.95 88.28,106.9 ; v1(15.66,87.99) D23.1 ; R122.2 v1(83.88,86.16) ; Q10.2 v1(110.91,84.14) ; C513.2 v1(80.75,96.81) ; v1(105.35,39.12) 105.37,39.1 C39.2 ; 71.89,84.23 71.72,84.06 ; C195.2 v1(104.83,15.41) C194.2 ; v1(132.31,44.65) 132.32,44.63 J5.26 132.32,42.19 v1(132.13,42) ; v1(94,39.98) 93.84,39.83 U11.4 ; C300.2 94.06,69.29 v1(94.03,69.26) ; v1(106.37,39.12) 106.43,39.06 ; 106.43,39.06 106.81,38.68 C34.2 ; 106.43,39.06 C37.2 ; v1(26.73,114.16) 26.35,113.78 C180.2 26.78,113.29 ; U55.2 52.78,101.86 v1(52.75,101.83) ; C517.2 86.51,112.76 v1(86.4,112.65) ; 55.67,113.74 55.81,113.6 C466.2 56.69,112.12 R576.2 ; 55.67,113.74 55.62,113.69 52.75,113.69 52.57,113.51 X5.4 ; 55.67,113.74 v1(57.65,113.74) ; v1(61.22,76.4) 61.28,76.34 U28.4 ; 148.37,36.29 J5.54 148.37,35.39 ; 148.37,36.29 149.6,37.52 ; 148.37,36.29 148.37,36.43 147.13,37.67 ; v1(108.23,84.19) 108.57,84.54 Q11.2 ; U73.3 U73.8 v1(80.32,116.02) ; U61.3 U61.8 91.44,141.73 v1(91.4,141.78) ; R88.2 v1(112.33,92.77) 112.19,92.91 111.23,92.91 ; C55.2 101.02,35.58 v1(101.05,35.58) ; 104.02,33.78 103.78,33.78 v1(103.54,34.03) 103.26,33.75 103,33.75 ; C486.2 53.61,107.34 R582.2 ; v1(113.71,16.66) 113.72,16.68 U69.8 U69.3 113.72,18.74 v1(113.73,18.75) ; X3.4 11.68,113.99 11.86,114.17 14.72,114.17 14.77,114.22 ; v1(65.64,88.8) 65.06,89.38 U20.1 65.06,91.13 65.12,91.2 R92.2 v1(65.12,92.39) ; v1(65.06,85.77) 64.71,86.12 R113.2 ; v1(142.56,117.6) 142.49,117.68 C147.2 ; C105.2 54.58,77.17 v1(54.47,77.07) ; 75.33,113.7 75.28,113.64 72.41,113.64 72.23,113.46 X6.4 ; 75.33,113.7 v1(77.31,113.7) ; 75.33,113.7 75.47,113.56 C506.2 76.34,112.08 R600.2 ; 147.08,34.04 148.37,35.33 148.37,35.39 ; 143.16,37.46 142.32,36.62 J5.9 ; v1(55.2,78.76) 54.95,78.51 C102.2 ; R285.2 105.27,36.39 v1(105.42,36.24) ; 14.77,114.22 14.91,114.08 C181.2 15.79,112.6 R243.2 ; 14.77,114.22 v1(16.75,114.22) ; v1(36.4,114.27) 34.42,114.27 ; 34.42,114.27 34.55,114.13 C429.2 35.43,112.65 R551.2 ; 34.42,114.27 34.37,114.22 31.5,114.22 31.32,114.04 X4.4 ; R550.2 v1(47.01,107.84) ; C153.2 22.81,100.29 v1(22.77,100.33) ; Q7.2 53.63,87.29 v1(53.57,87.23) R109.2 ; C140.1 v1(112.26,63.71) ; v1(66.7,85.8) C84.2 66.7,86.37 66.33,86.74 ; J5.18 135.63,43.48 135.63,44.58 v1(135.7,44.66) ; C85.2 62.49,86.26 62.9,85.85 v1(62.9,85.6) 62.9,84.61 63.26,84.24 64.4,84.24 65.21,83.44 C93.2 ; C553.2 112.88,107.7 112.88,107.92 v1(112.95,107.98) ; v1(151.67,29.38) 151.94,29.11 152.62,29.11 152.62,28.65 152,28.03 v1(151.09,28.03) ; 70.21,81.41 70.16,81.36 69.81,81.36 ; v1(121.25,18.75) 121.24,18.74 U68.3 U68.8 121.24,16.75 v1(121.28,16.72) ; 119.07,35.44 117.85,34.22 ; 119.07,35.44 J5.53 ; 119.07,35.44 119.07,35.12 120.16,34.04 ; v1(66.96,91.21) U20.3 66.96,89.26 66.71,89 ; v1(74.02,106.69) C526.2 73.54,106.7 R606.2 ; v1(160.42,7.09) 160.77,6.73 160.77,4.02 159.91,3.15 LED5.2 LED4.2 ; v1(104.03,93.45) 103.99,93.4 U18.11 ; v1(42.59,116.59) U67.8 U67.3 ; R215.2 v1(14.62,102.66) ; C149.2 19.94,97.34 v1(20.16,97.56) ; 131.91,36.62 131.92,36.6 J5.27 ; 108.32,98.1 108.23,98.19 v1(108.23,99.32) 108.23,100.37 v1(108.61,100.76) ; v1(116.45,93.48) 116.22,93.7 C74.1 ; J5.53 117.61,35.78 117.52,35.87 ; J5.53 119.07,36.27 ; U7.8 v1(32.19,37.65) ; v1(16.1,84.89) 16.06,84.86 D24.1 ; v1(38.16,35.19) C22.2 40.17,34.41 39.17,33.42 Q3.3 ; v1(49.59,35.19) C24.2 51.66,34.19 50.88,33.42 Q5.3 ; 119.07,36.27 v1(117.8,37.54) ; 119.07,36.27 119.07,36.28 120.49,37.7 ; v1(71.18,86.74) 71.1,86.74 70.95,86.89 70.95,87.56 X2.2 ; 99.98,33.25 99.96,33.27 R396.2 ; v1(104.52,44.48) 104.28,44.24 102.86,44.24 U13.1 102.79,45.34 102.54,45.58 C63.2 ; v1(114.29,25.89) C25.2 C27.2 ; v1(16.37,82.34) 16.34,82.37 D25.1 ; v1(102.67,31.52) 102.7,31.5 C48.2 ; v1(58.45,86.33) 58.48,86.29 C87.2 R118.2 v1(57.52,86.26) ; v1(103.33,14.8) 103.33,14.7 103.26,14.64 D51.1 ; C94.2 v1(81.49,81.76) ; C184.2 v1(89.54,140.23) ; v1(22.94,116.55) U59.8 U59.3 ; C182.2 v1(104.67,22.35) ; 50.35,49.66 50.41,49.6 50.41,49.48 50.36,49.43 R66.2 49.73,48.41 49.73,47.25 49.39,46.92 ; Q4.3 44.99,33.42 45.86,34.29 C23.2 v1(45.27,35.19) ; v1(78.06,70.69) 78.42,71.04 C132.2 ; R60.2 v1(101.53,38.58) ; R430.1 89.07,86.15 89.07,86.5 v1(89.01,86.56) ; v1(117.12,91.8) R86.2 ; v1(122.47,26.44) 122.52,26.44 122.55,26.42 122.85,26.42 123.33,25.94 J6.76 ; v1(72.78,88.92) 72.75,88.9 C80.2 72.75,88.44 C79.2 ; 63.01,91.09 R91.2 ; 63.01,91.09 63.13,90.97 U19.3 63.13,89.5 62.87,89.24 61.45,89.24 61.22,89.47 U19.1 ; 63.01,91.09 v1(63.01,91.08) ; U60.3 U60.8 94.61,141.76 v1(94.6,141.78) ; U70.3 U70.8 v1(63.84,116.07) ; 144.05,41.88 144.32,42.16 J5.4 v1(144.32,44.64) ; U57.7 88.26,66.2 ; D20.1 16.29,92.43 v1(16.29,92.42) ; R85.2 112.74,95.79 v1(112.44,96.08) ; C86.1 v1(98.32,101.27) ; C477.2 66.85,112.81 v1(66.74,112.7) ; v1(117.7,16.69) 117.69,16.69 U41.8 U41.3 117.69,18.75 v1(117.67,18.77) ; D98.1 86.63,139.85 v1(86.78,139.7) ; v1(46.3,114.05) 45.99,113.74 C440.2 ; v1(83.5,116.02) U74.8 U74.3 ; C436.2 39.77,97.38 v1(39.9,97.51) ; J6.77 v1(144.03,23.6) ; v1(131.84,18.73) 131.85,18.72 U2.3 U2.8 131.85,16.76 v1(131.82,16.72) ; U66.3 U66.8 v1(39.41,116.59) ; v1(13.5,107.42) C162.2 13.02,107.44 R231.2 ; 148.37,35.39 149.72,34.04 ; v1(63.82,100.18) 64.19,99.81 C461.2 ; C68.2 v1(99.41,89.71) ; U72.2 v1(72.71,101.09) ; v1(105.94,101.58) 105.63,101.27 R116.1 ; Q19.2 99.49,24.65 R240.2 98.7,24.44 v1(98.65,24.39) ; v1(81.86,79.1) 81.89,79.13 R145.2 ; v1(93.54,68.43) 93.55,68.43 93.58,68.41 C298.1 ; v1(60.67,116.07) U56.8 U56.3 ; 126.7,41.95 126.72,41.98 J5.40 ; C40.2 104.44,39.08 v1(104.35,39.16) ; R435.2 138.63,97.93 ; R49.2 v1(110.81,39.19) ; C27.2 v1(112.78,25.4) ; C27.2 112.16,25.89 112.11,25.83 ; R83.2 v1(112.39,97.63) ; D50.1 v1(104.75,14.4) C197.2 ; v1(135.2,18.73) 135.22,18.71 U3.3 U3.8 135.22,16.68 v1(135.22,16.67) ; 141.84,94.62 C146.1 ; D22.1 16.29,90.07 v1(16.32,90.09) ; R575.2 68.26,107.72 v1(68.29,107.75) ; C193.2 102.26,14.98 v1(102.21,14.93) 102.18,14.9 D53.1 102.18,14.4 D52.1 v1(100.66,14.4) ; C473.2 v1(61.1,96.86) ; C100.2 65.26,78.61 v1(65.23,78.59) ; C31.2 v1(109.61,39.24) ; U52.2 v1(31.89,101.83) ; Q2.3 33.36,33.42 34.12,34.19 C21.2 33.49,35.82 33.49,37.26 v1(33.72,37.49) ; C28.2 v1(112.4,39.15) 112.88,38.68 C26.2 ; C88.2 82.73,86.13 82.61,86.26 v1(82.56,86.26) ; C72.2 v1(60.9,92.27) ; v1(23.2,40.41) C30.2 23.2,39.2 23.35,39.05 U7.2 ; R155.2 59.74,74.12 v1(59.73,74.12) ; J5.21 134.32,36.54 134.32,36.54 ; v1(93.07,12.97) 93.1,13 U39.8 U39.3 v1(93.1,15.03) ; J5.34 129.12,44.53 ; D27.1 R397.1
  BOTTOM w0.508: 134.79,15.45 134.79,14.89 J4.16 ; v1(102.68,113.29) 102.47,113.5 102.36,113.5 C535.2 ; v1(100.82,113.3) 100.48,113.3 100.13,112.95 R610.2 ; v1(97.1,139.72) C183.2 D99.1 ; C90.2 v1(77.72,83.21) R129.2 ; C90.2 R125.2 78.02,84.66 v1(78.4,84.28) ; C90.2 77.74,83.72 ; C299.1 v1(94.22,79.66) C301.2 ; C121.2 v1(69.94,73.61) ; 110.86,151.16 110.89,151.19 J19.A12 J19.B1 111.64,151.1 111.6,151.06 ; C67.2 108.64,100.79 v1(108.61,100.76) ; 118,151.13 117.91,151.23 J18.A12 J18.B1 118.66,151.23 118.64,151.21 ; U75.4 120.54,102.42 v1(120.57,102.44) ; v1(57.22,71.55) 57.26,71.51 C295.2 57.56,70.59 C294.2 v1(58.32,69.65) ; v1(51.44,66.57) 52,67.13 R424.2 52.03,67.51 C302.2 52.95,66.56 52.87,66.47 v1(52.85,66.47) 52.9,66.52 53.5,66.52 53.71,66.73 C137.2 55.53,66.73 55.73,66.52 ; U9.2 49.52,45.36 v1(49.36,45.52) ; D32.1 v1(54.59,82.96) ; C111.2 71.66,76.2 C109.2 v1(70.21,76.2) ; v1(75.95,72.13) 76.61,72.8 R168.2
  BOTTOM w1.016: 116.12,119.94 116.12,119.94 J25.4 J25.3 110.69,119.94 110.66,119.92